# Altium PCB miniBackplane.PcbDoc (part 9 of 24)
Units mil, origin at the board's own origin, x right, y up, seen from the top; angles counter-clockwise.
Board outline 17285.63 x 8582.68 mil, 6 copper layers (Top Layer, Mid-Layer 1, GND, PWR, Mid-Layer 2, Bottom Layer), stack 62.362 mil thick; 519 components, 474 nets, 2434 pads, 1493 vias.
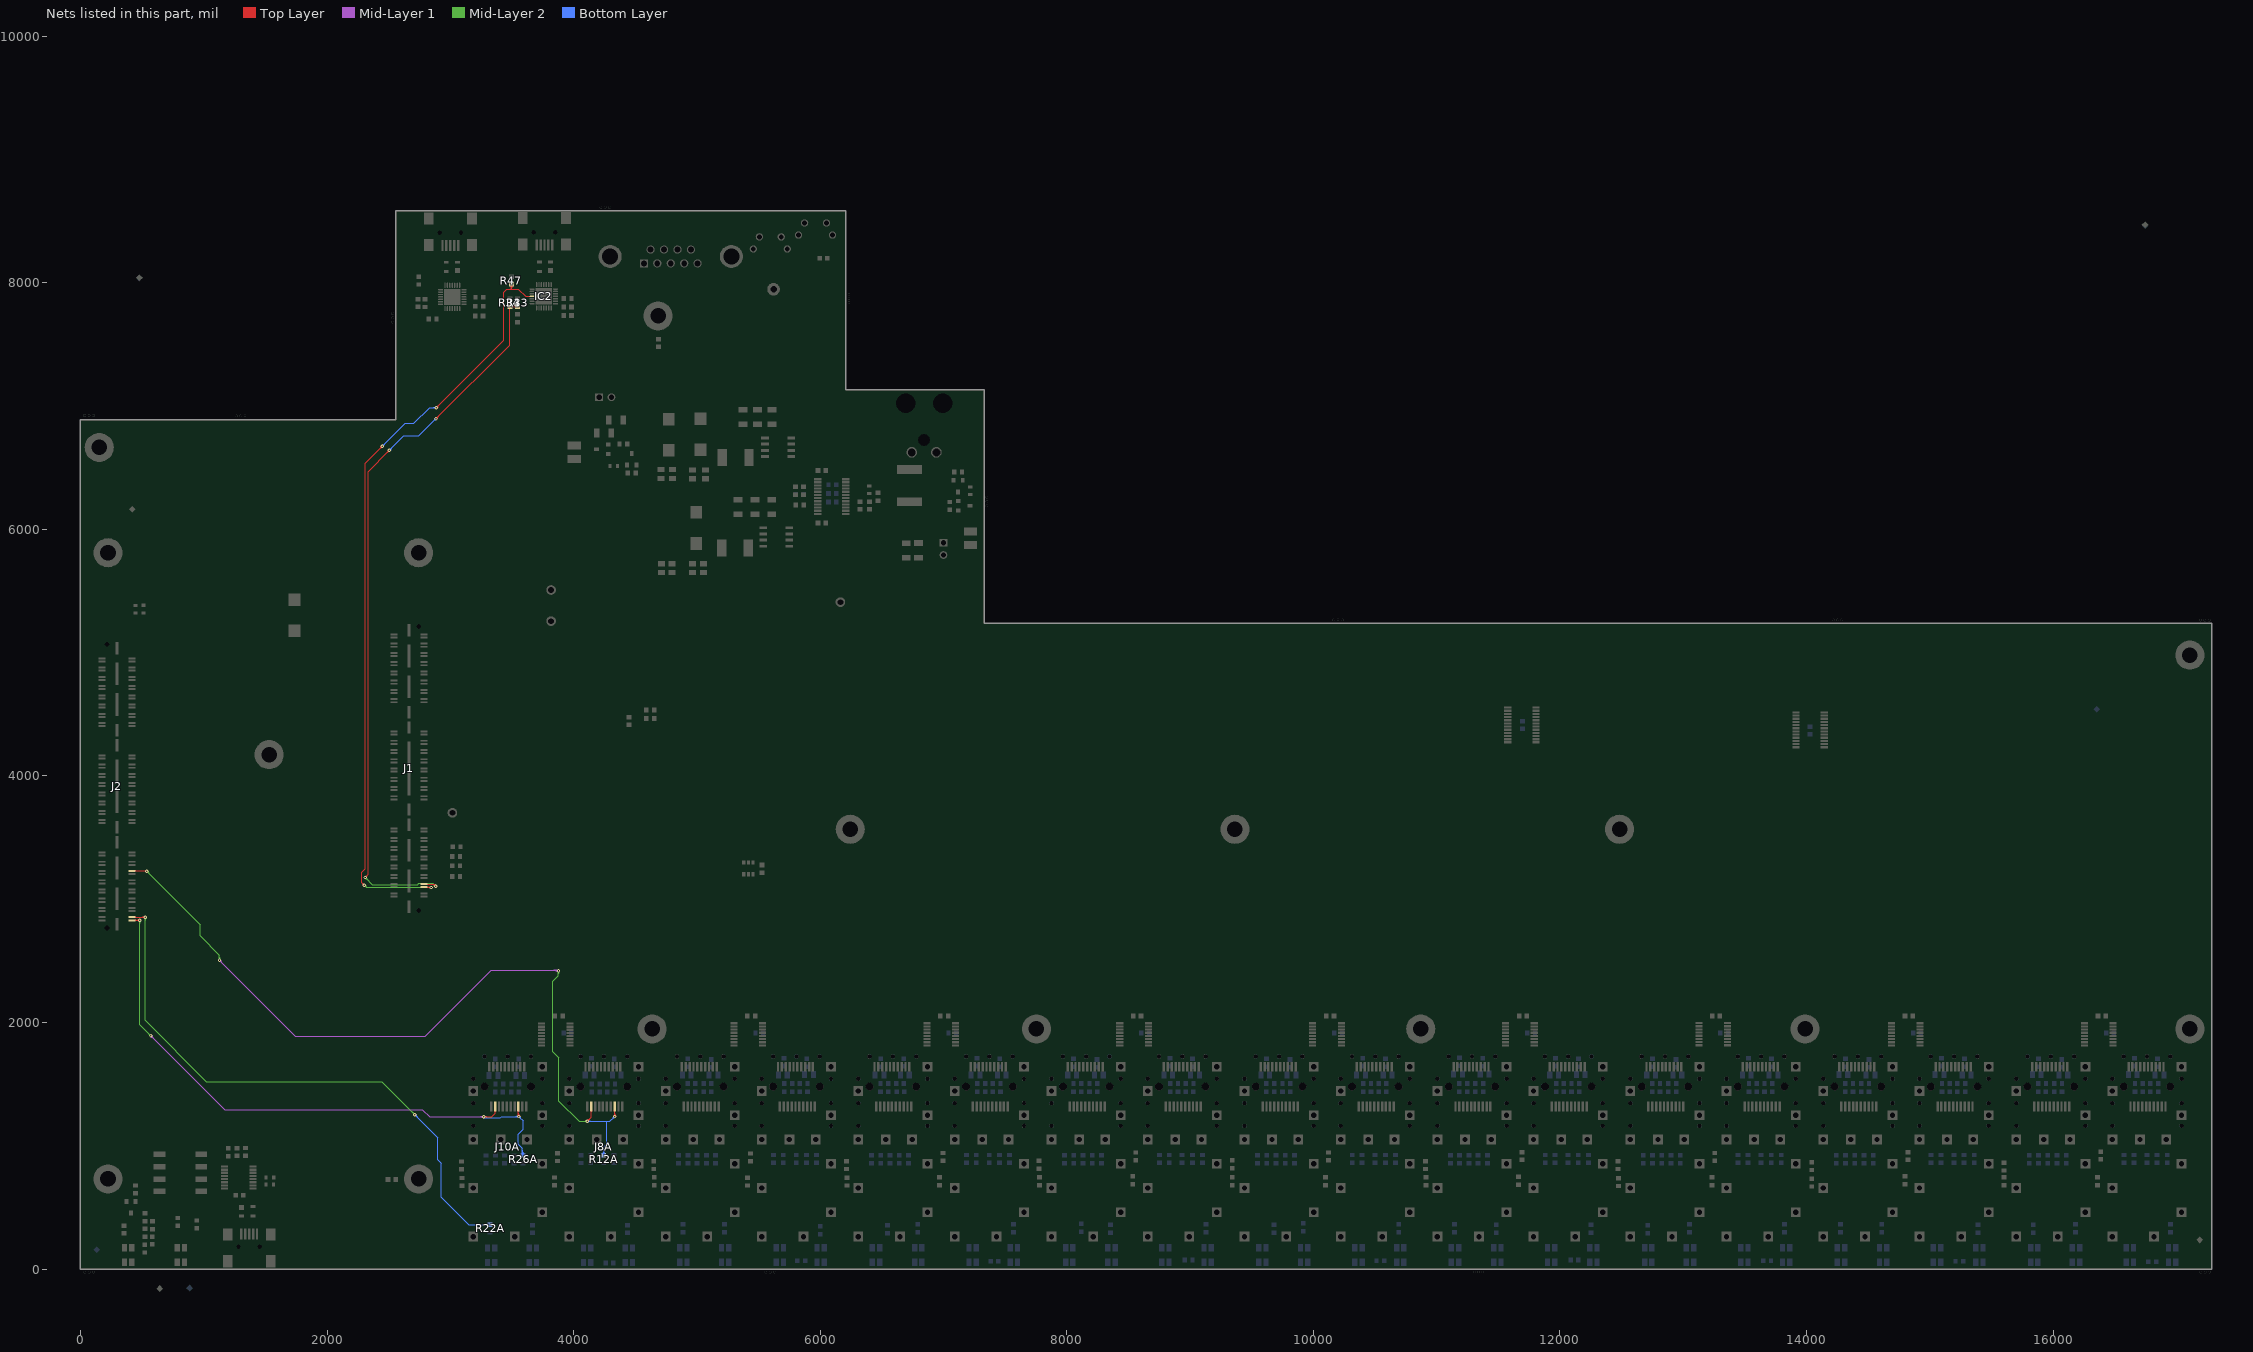
[diagram p13: the nets of this part, all layers, seen from the top]

## Via types
v1: diameter 27.56, hole 11.81, Top Layer to Bottom Layer, tented both sides, 1347 vias
v2: diameter 23.62, hole 11.81, Top Layer to Bottom Layer, tented both sides, 146 vias

## Nets (pads, with @x,y where several pads share a name; then routed paths per layer and width w, separated by ;. In a path a pad name is that pad's centre, name@x,y a point inside that pad or via, vN(x,y) a via of type N, cw(c..) or ccw(c..) an arc to the next point about the centre after c; other vN are vias at no path point) (continued)
FPGA_GPIO33: J2.24 J8A.2 J8A.8 R12A.1 | length 7543.4
  Top Layer w7.87: J2.24@417.94,3228.79 418.53,3229.38 536.62,3229.38 v1(538,3228) ; v1@4110.33,1199.94 ccw(c4106.56,1218.36) 4124.71,1213.49 ; v1(4110.72,1198.02) 4143.7,1230.99 J8A.2@4143.7,1318.39 ; v1@4112.65,1197.62 cw(c4131.07,1193.85) 4126.2,1212.01 ; v1(4334.67,1236.96) J8A.8@4334.67,1316.39 ; 4127.53,1214.82 ccw(c4144.33,1198.02) 4120.57,1198.02 cw(c4144.33,1198.02) 4127.53,1214.82 ; 4127.53,1214.82 cw(c4110.72,1231.62) 4110.72,1207.86 ccw(c4110.72,1231.62) 4127.53,1214.82 ; 4143.7,1274.6 ccw(c4129.44,1274.6) 4139.52,1284.68 cw(c4129.44,1274.6) 4143.7,1274.6 ; 4143.7,1274.6 cw(c4157.96,1274.6) 4147.88,1284.68 ccw(c4157.96,1274.6) 4143.7,1274.6 ; 4334.67,1260.72 ccw(c4358.43,1260.72) 4341.63,1243.92 cw(c4358.43,1260.72) 4334.67,1260.72 ; 4334.67,1260.72 cw(c4310.91,1260.72) 4327.71,1243.92 ccw(c4310.91,1260.72) 4334.67,1260.72 ; J2.24@441.39,3226.01 cw(c449.54,3217.86) 449.54,3229.38 ccw(c449.54,3217.86) J2.24@441.39,3226.01 ; J2.24@441.39,3231.58 ccw(c446.69,3236.87) 446.69,3229.38 cw(c446.69,3236.87) J2.24@441.39,3231.58 ; J8A.8@4328.5,1284.68 cw(c4313.61,1269.79) 4334.67,1269.79 ccw(c4313.61,1269.79) J8A.8@4328.5,1284.68
  Mid-Layer 1 w7.09: v1(1127.95,2503.94) 1744.09,1887.8 2795.28,1887.8 3332.99,2425.51 3872.32,2425.51 v1@3877.56,2420.28 ; 3855.15,2421.13 ccw(c3860.11,2429.73) v1@3868.71,2424.74 ; 3861.3,2417.58 ccw(c3866.26,2426.17) v1@3874.83,2421.19 ; 1145.43,2486.46 ccw(c1127.95,2468.99) 1127.95,2493.7 cw(c1127.95,2468.99) 1145.43,2486.46 ; 1145.43,2486.46 cw(c1162.9,2503.94) 1138.19,2503.94 ccw(c1162.9,2503.94) 1145.43,2486.46 ; 3838.59,2425.51 cw(c3838.59,2380.64) 3870.32,2412.37 ccw(c3838.59,2380.64) 3838.59,2425.51 ; 3855.7,2425.51 cw(c3855.7,2397.75) 3875.33,2417.38 ccw(c3855.7,2397.75) 3855.7,2425.51
  Mid-Layer 2 w7.09: v1(538,3228) 972,2794 972,2702 1127.95,2546.05 v1(1127.95,2503.94) ; v1@3869.68,2419.61 3877.56,2411.73 3877.56,2380.73 3830.72,2333.9 3830.72,1763.9 3880.72,1713.9 3880.72,1360.42 4044.18,1196.96 v1@4110.72,1196.96 ; 555.47,3210.53 ccw(c538,3193.05) 538,3217.76 cw(c538,3193.05) 555.47,3210.53 ; 555.47,3210.53 cw(c572.95,3228) 548.24,3228 ccw(c572.95,3228) 555.47,3210.53 ; 1127.95,2528.65 ccw(c1152.67,2528.65) 1135.19,2511.18 cw(c1152.67,2528.65) 1127.95,2528.65 ; 1127.95,2528.65 cw(c1103.24,2528.65) 1120.71,2511.18 ccw(c1103.24,2528.65) 1127.95,2528.65 ; 3877.56,2394.89 ccw(c3852.85,2394.89) 3870.32,2412.37 cw(c3852.85,2394.89) 3877.56,2394.89 ; 3877.56,2394.89 cw(c3902.27,2394.89) 3884.8,2412.37 ccw(c3902.27,2394.89) 3877.56,2394.89 ; 4083.46,1196.96 ccw(c4083.46,1225.28) 4103.49,1205.25 cw(c4083.46,1225.28) 4083.46,1196.96 ; 4088.56,1196.96 cw(c4088.56,1175.85) 4103.49,1190.78 ccw(c4088.56,1175.85) 4088.56,1196.96
  Bottom Layer w7.87: v1(4110.72,1198.02) 4268.61,1198.02 4269.67,1196.96 ; R12A.1@4244.67,923.46 4244.67,986.96 4269.67,1011.96 4269.67,1196.96 ; v1(4334.67,1236.96) 4294.67,1196.96 4269.67,1196.96 ; 4134.49,1198.02 ccw(c4134.49,1174.25) 4117.68,1191.06 cw(c4134.49,1174.25) 4134.49,1198.02 ; 4134.49,1198.02 cw(c4134.49,1221.78) 4117.68,1204.98 ccw(c4134.49,1221.78) 4134.49,1198.02 ; 4244.67,956.72 ccw(c4277.94,956.72) 4254.41,933.2 cw(c4277.94,956.72) 4244.67,956.72 ; 4244.67,956.72 cw(c4211.4,956.72) 4234.93,933.2 ccw(c4211.4,956.72) 4244.67,956.72 ; 4317.87,1220.16 ccw(c4301.06,1236.96) 4324.83,1236.96 cw(c4301.06,1236.96) 4317.87,1220.16 ; 4317.87,1220.16 cw(c4334.67,1203.36) 4334.67,1227.12 ccw(c4334.67,1203.36) 4317.87,1220.16
  other v1: 3877.56,2419.61
FPGA_GPIO34: J2.4 R22A.1 | length 5137
  Top Layer w7.87: J2.4@417.94,2853.79 418.53,2854.38 525.2,2854.38 v1(525.79,2853.79) v1@527,2855 ; J2.4@441.39,2851.01 cw(c449.54,2842.86) 449.54,2854.38 ccw(c449.54,2842.86) J2.4@441.39,2851.01 ; J2.4@441.39,2856.58 ccw(c446.69,2861.87) 446.69,2854.38 cw(c446.69,2861.87) J2.4@441.39,2856.58 ; 500.6,2854.38 cw(c500.6,2828.6) 518.83,2846.83 ccw(c500.6,2828.6) 500.6,2854.38 ; 503.46,2854.38 ccw(c503.46,2876.13) 518.83,2860.75 cw(c503.46,2876.13) 503.46,2854.38
  Mid-Layer 2 w7.09: v1(525.79,2853.79) 525.79,2016.21 1022,1520 2445.71,1520 v1(2713.21,1252.5) ; 525.79,2829.08 ccw(c501.08,2829.08) 518.55,2846.55 cw(c501.08,2829.08) 525.79,2829.08 ; 525.79,2829.08 cw(c550.5,2829.08) 533.03,2846.55 ccw(c550.5,2829.08) 525.79,2829.08 ; 2695.73,1269.97 ccw(c2713.21,1287.45) 2713.21,1262.74 cw(c2713.21,1287.45) 2695.73,1269.97 ; 2695.73,1269.97 cw(c2678.26,1252.5) 2702.97,1252.5 ccw(c2678.26,1252.5) 2695.73,1269.97
  Bottom Layer w7.87: v1(2713.21,1252.5) 2898.8,1066.91 2898.8,885.2 2926,858 2926,583 3148.45,360.55 R22A.1@3322.85,360.55 ; 2730.01,1235.7 ccw(c2713.21,1218.9) 2713.21,1242.66 cw(c2713.21,1218.9) 2730.01,1235.7 ; 2730.01,1235.7 cw(c2746.81,1252.5) 2723.05,1252.5 ccw(c2746.81,1252.5) 2730.01,1235.7 ; 3287.61,360.55 ccw(c3287.61,393.82) 3311.14,370.29 cw(c3287.61,393.82) 3287.61,360.55 ; 3287.61,360.55 cw(c3287.61,327.28) 3311.14,350.81 ccw(c3287.61,327.28) 3287.61,360.55
FPGA_GPIO35: J2.2 J10A.2 J10A.8 R26A.1 | length 6018.7
  Top Layer w7.87: J2.2@417.94,2828.79 v1(480.79,2828.79) v1@482,2830 ; v1(3270.72,1233.9) 3335.72,1233.9 3363.7,1261.87 J10A.2@3363.7,1318.39 ; v1@3552.68,1238.95 J10A.8@3552.68,1318.39 ; 448.12,2828.79 ccw(c448.12,2819.29) 441.39,2826.01 cw(c448.12,2819.29) 448.12,2828.79 ; 448.12,2828.79 cw(c448.12,2838.3) 441.39,2831.58 ccw(c448.12,2838.3) 448.12,2828.79 ; 457.03,2828.79 ccw(c457.03,2852.55) 473.83,2835.75 cw(c457.03,2852.55) 457.03,2828.79 ; 457.03,2828.79 cw(c457.03,2805.03) 473.83,2821.83 ccw(c457.03,2805.03) 457.03,2828.79 ; 3294.49,1233.9 ccw(c3294.49,1210.14) 3277.68,1226.94 cw(c3294.49,1210.14) 3294.49,1233.9 ; 3294.49,1233.9 cw(c3294.49,1257.66) 3277.68,1240.86 ccw(c3294.49,1257.66) 3294.49,1233.9 ; 3363.7,1274.6 ccw(c3349.44,1274.6) 3359.52,1284.68 cw(c3349.44,1274.6) 3363.7,1274.6 ; 3363.7,1274.6 cw(c3377.96,1274.6) 3367.88,1284.68 ccw(c3377.96,1274.6) 3363.7,1274.6 ; 3552.68,1274.6 ccw(c3538.42,1274.6) 3548.5,1284.68 cw(c3538.42,1274.6) 3552.68,1274.6 ; 3552.68,1274.6 cw(c3566.93,1274.6) 3556.85,1284.68 ccw(c3566.93,1274.6) 3552.68,1274.6 ; v1@3547.71,1243.92 ccw(c3535.72,1255.91) 3552.68,1255.91 cw(c3535.72,1255.91) v1@3547.71,1243.92 ; 3552.68,1265.53 ccw(c3583.24,1265.53) 3561.63,1243.92 cw(c3583.24,1265.53) 3552.68,1265.53
  Mid-Layer 1 w7.09: v1(572,1891) 1169,1294 2773,1294 2833.1,1233.9 v1(3270.72,1233.9) ; 589.47,1873.53 ccw(c572,1856.05) 572,1880.76 cw(c572,1856.05) 589.47,1873.53 ; 589.47,1873.53 cw(c606.95,1891) 582.24,1891 ccw(c606.95,1891) 589.47,1873.53 ; 3246.01,1233.9 ccw(c3246.01,1258.61) 3263.49,1241.14 cw(c3246.01,1258.61) 3246.01,1233.9 ; 3246.01,1233.9 cw(c3246.01,1209.19) 3263.49,1226.66 ccw(c3246.01,1209.19) 3246.01,1233.9
  Mid-Layer 2 w7.09: v1(480.79,2828.79) 480.79,1982.21 v1(572,1891) ; 480.79,2804.08 ccw(c456.08,2804.08) 473.55,2821.55 cw(c456.08,2804.08) 480.79,2804.08 ; 480.79,2804.08 cw(c505.5,2804.08) 488.03,2821.55 ccw(c505.5,2804.08) 480.79,2804.08 ; 554.53,1908.47 ccw(c572,1925.95) 572,1901.24 cw(c572,1925.95) 554.53,1908.47 ; 554.53,1908.47 cw(c537.05,1891) 561.76,1891 ccw(c537.05,1891) 554.53,1908.47
  Bottom Layer w7.87: v1@3270.72,1226.87 3406.61,1226.87 3416.71,1236.96 v1(3554.67,1236.96) 3589.67,1201.96 3589.67,1131.96 3552.68,1094.97 3552.68,1013.27 3584.67,981.28 3584.67,926.55 R26A.1@3590.35,920.87 ; v1@3272.3,1232.72 cw(c3281.15,1226.11) 3286.67,1235.67 ; v1@3278.13,1227.41 cw(c3281.69,1224.3) 3284.06,1228.4 cw(c3287.56,1234.46) v1@3280.56,1234.22 ; v1@3278.61,1228 cw(c3288.3,1220.76) 3294.34,1231.24 ; 3530.91,1236.96 ccw(c3530.91,1260.72) 3547.71,1243.92 cw(c3530.91,1260.72) 3530.91,1236.96 ; 3530.91,1236.96 cw(c3530.91,1213.2) 3547.71,1230 ccw(c3530.91,1213.2) 3530.91,1236.96 ; 3571.47,1220.16 ccw(c3554.67,1203.36) 3554.67,1227.12 cw(c3554.67,1203.36) 3571.47,1220.16 ; 3571.47,1220.16 cw(c3588.27,1236.96) 3564.51,1236.96 ccw(c3588.27,1236.96) 3571.47,1220.16 ; v1@3272.12,1235.29 ccw(c3292.45,1255.63) 3292.45,1226.87 cw(c3292.45,1255.63) v1@3272.12,1235.29 ; v1@3277.68,1240.86 ccw(c3311.46,1274.64) 3311.46,1226.87 cw(c3311.46,1274.64) v1@3277.68,1240.86 ; R26A.1@3578.64,930.61 ccw(c3564.09,945.16) 3584.67,945.16 cw(c3564.09,945.16) R26A.1@3578.64,930.61 ; 3584.67,944.1 ccw(c3611.62,944.1) 3592.56,925.04 cw(c3611.62,944.1) 3584.67,944.1 ; 3584.67,963.11 ccw(c3630.62,963.11) 3598.13,930.61 cw(c3630.62,963.11) 3584.67,963.11
FPGA_RXD: J1.89 R33.2 R34.1 | length 6714.9
  Top Layer w7.87: v1@2308.61,3177.93 ccw(c2304.83,3196.34) 2322.99,3191.48 ; v1(2309,3176) 2334,3201 2334,6468 v1(2506,6640) ; v1@2310.93,3175.61 cw(c2329.34,3171.83) 2324.48,3189.99 ; 2490.52,6626.01 ccw(c2485.66,6644.17) v1@2504.07,6640.39 ; 2492.01,6624.52 cw(c2510.17,6619.66) v1@2506.39,6638.07 ; v1@2883.61,6898.93 ccw(c2879.83,6917.34) 2897.99,6912.48 ; v1(2884,6897) 3481,7494 3481,7803.7 R34.1@3483.45,7806.15 R33.2@3546.44,7806.15 ; v1@2885.93,6896.61 cw(c2904.34,6892.83) 2899.48,6910.99 ; 2325.8,3192.8 ccw(c2342.6,3176) 2318.84,3176 cw(c2342.6,3176) 2325.8,3192.8 ; 2325.8,3192.8 cw(c2309,3209.6) 2309,3185.84 ccw(c2309,3209.6) 2325.8,3192.8 ; 2489.2,6623.2 ccw(c2472.4,6640) 2496.16,6640 cw(c2472.4,6640) 2489.2,6623.2 ; 2489.2,6623.2 cw(c2506,6606.4) 2506,6630.16 ccw(c2506,6606.4) 2489.2,6623.2 ; 2900.8,6913.8 ccw(c2917.6,6897) 2893.84,6897 cw(c2917.6,6897) 2900.8,6913.8 ; 2900.8,6913.8 cw(c2884,6930.6) 2884,6906.84 ccw(c2884,6930.6) 2900.8,6913.8
  Top Layer w9.84: J1.89@2786.05,3122.49 2863.22,3122.49 v1(2880.71,3105) ; 2869.27,3114.62 ccw(c2883.46,3118.42) v1@2880.51,3104.04 ; 2871.09,3116.44 cw(c2867.29,3102.25) v1@2881.67,3105.2 ; 2865.59,3120.12 ccw(c2880.71,3135.24) 2880.71,3113.86 cw(c2880.71,3135.24) 2865.59,3120.12 ; 2865.59,3120.12 cw(c2850.46,3105) 2871.85,3105 ccw(c2850.46,3105) 2865.59,3120.12
  Mid-Layer 2 w7.09: v1(2309,3176) 2366,3119 2736,3119 2746,3129 2856.71,3129 v1(2880.71,3105) ; 2326.47,3158.53 ccw(c2309,3141.05) 2309,3165.76 cw(c2309,3141.05) 2326.47,3158.53 ; 2326.47,3158.53 cw(c2343.95,3176) 2319.24,3176 ccw(c2343.95,3176) 2326.47,3158.53 ; 2863.23,3122.47 ccw(c2880.71,3139.95) 2880.71,3115.24 cw(c2880.71,3139.95) 2863.23,3122.47 ; 2863.23,3122.47 cw(c2845.76,3105) 2870.47,3105 ccw(c2845.76,3105) 2863.23,3122.47
  Bottom Layer w7.87: v1(2506,6640) 2623.5,6757.5 2744.5,6757.5 v1(2884,6897) ; 2522.8,6656.8 ccw(c2539.6,6640) 2515.84,6640 cw(c2539.6,6640) 2522.8,6656.8 ; 2522.8,6656.8 cw(c2506,6673.6) 2506,6649.84 ccw(c2506,6673.6) 2522.8,6656.8 ; 2867.2,6880.2 ccw(c2850.4,6897) 2874.16,6897 cw(c2850.4,6897) 2867.2,6880.2 ; 2867.2,6880.2 cw(c2884,6863.4) 2884,6887.16 ccw(c2884,6863.4) 2867.2,6880.2
FPGA_TXD: IC2.25 J1.91 R47.1 | length 7110.1
  Top Layer w7.87: 2287.52,3126.99 cw(c2282.66,3108.83) v1@2301.07,3112.61 ; 2289.01,3128.48 ccw(c2307.17,3133.34) v1@2303.39,3114.93 ; v1(2303,3113) 2283.41,3132.59 2283.41,3219.41 2309,3245 2309,6534 v1(2448,6673) ; 2432.52,6659.01 ccw(c2427.66,6677.17) v1@2446.07,6673.39 ; 2434.01,6657.52 cw(c2452.17,6652.66) v1@2448.39,6671.07 ; v1@2886.61,6988.93 ccw(c2882.83,7007.34) 2900.99,7002.48 ; v1@2887,6983 v1(2887,6987) 3434,7534 3434,7923 3459,7948 3496,7948 ; v1@2888.93,6986.61 cw(c2907.34,6982.83) 2902.48,7000.99 ; R47.1@3496,7986.5 3496,7948 ; IC2.25@3664.17,7889.86 3610.14,7889.86 3552,7948 3496,7948 ; 2286.2,3129.8 ccw(c2303,3146.6) 2303,3122.84 cw(c2303,3146.6) 2286.2,3129.8 ; 2286.2,3129.8 cw(c2269.4,3113) 2293.16,3113 ccw(c2269.4,3113) 2286.2,3129.8 ; 2431.2,6656.2 ccw(c2414.4,6673) 2438.16,6673 cw(c2414.4,6673) 2431.2,6656.2 ; 2431.2,6656.2 cw(c2448,6639.4) 2448,6663.16 ccw(c2448,6639.4) 2431.2,6656.2 ; 2903.8,7003.8 ccw(c2920.6,6987) 2896.84,6987 cw(c2920.6,6987) 2903.8,7003.8 ; 2903.8,7003.8 cw(c2887,7020.6) 2887,6996.84 ccw(c2887,7020.6) 2903.8,7003.8 ; 3496,7953.24 ccw(c3462.73,7953.24) 3486.26,7976.76 cw(c3462.73,7953.24) 3496,7953.24 ; 3496,7953.24 cw(c3529.27,7953.24) 3505.74,7976.76 ccw(c3529.27,7953.24) 3496,7953.24
  Top Layer w9.84: J1.91@2786.05,3097.49 2842.72,3097.49 v1(2845.28,3094.93) ; 2817.71,3097.49 cw(c2817.71,3067.37) 2839.01,3088.67 ccw(c2817.71,3067.37) 2817.71,3097.49 ; 2830.07,3097.49 ccw(c2830.07,3110.14) 2839.01,3101.2 cw(c2830.07,3110.14) 2830.07,3097.49
  Mid-Layer 2 w7.09: v1(2303,3113) 2321.07,3094.93 v1(2845.28,3094.93) ; 2320.47,3095.53 ccw(c2303,3078.05) 2303,3102.76 cw(c2303,3078.05) 2320.47,3095.53 ; 2320.47,3095.53 cw(c2337.95,3113) 2313.24,3113 ccw(c2337.95,3113) 2320.47,3095.53 ; 2820.56,3094.93 ccw(c2820.56,3119.65) 2838.04,3102.17 cw(c2820.56,3119.65) 2820.56,3094.93 ; 2820.56,3094.93 cw(c2820.56,3070.22) 2838.04,3087.7 ccw(c2820.56,3070.22) 2820.56,3094.93
  Bottom Layer w7.87: v1(2448,6673) 2634,6859 2705,6859 2833,6987 v1(2887,6987) ; 2464.8,6689.8 ccw(c2481.6,6673) 2457.84,6673 cw(c2481.6,6673) 2464.8,6689.8 ; 2464.8,6689.8 cw(c2448,6706.6) 2448,6682.84 ccw(c2448,6706.6) 2464.8,6689.8 ; 2863.24,6987 ccw(c2863.24,7010.76) 2880.04,6993.96 cw(c2863.24,7010.76) 2863.24,6987 ; 2863.24,6987 cw(c2863.24,6963.24) 2880.04,6980.04 ccw(c2863.24,6963.24) 2863.24,6987